# Altium PCB FMC_ADC_100M_10B_16CHA_TDC.PcbDoc (part 3 of 4) (continued)
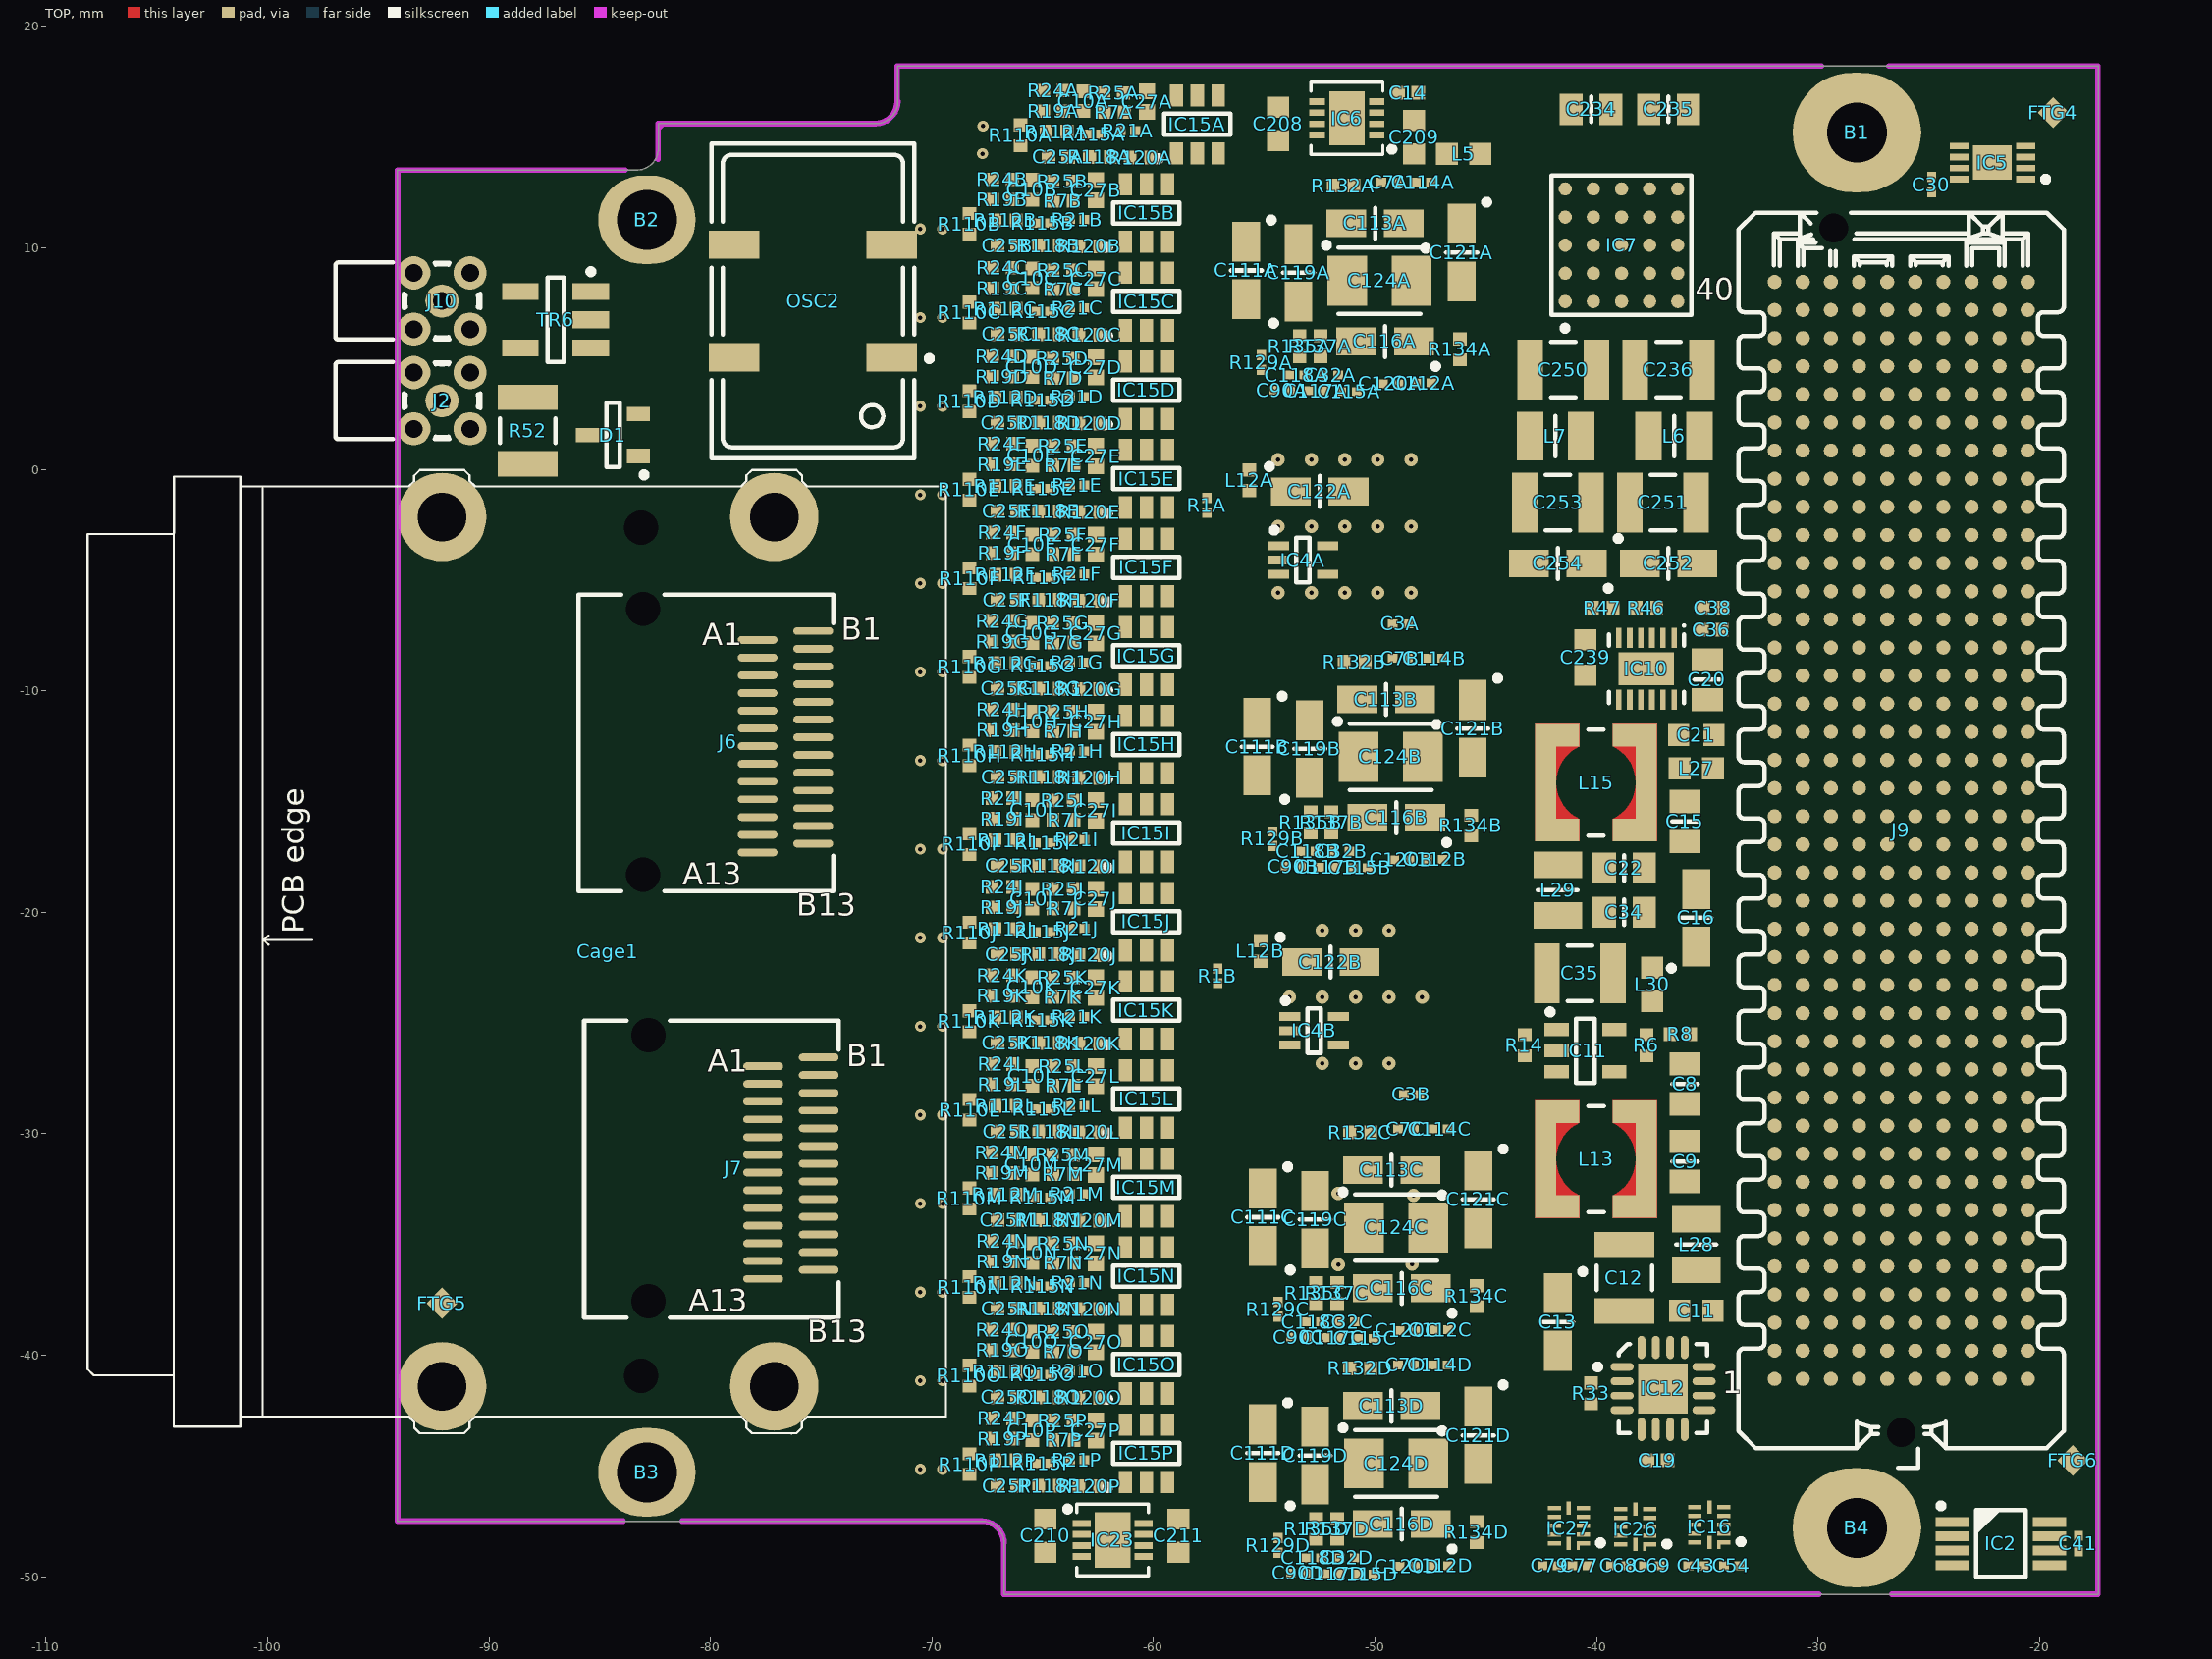
[diagram p0: TOP view]
## Part data (continued)
L13 L15: library part IND_2.2UH_30%_WURTH_WE-TPC_7440430022, "Inductor With Core", Manufacturer="WURTH ELEKTRONIK", Manufacturer Part Number=7440430022, Power=2.5A, Resistance=0.023R, Tolerance=±30%, Author="CERN DEM JLC", ComponentHeight=3mm, Component Type=Standard, CreateDate=19.11.2012, HelpURL=\\cern.ch\dfs\Applications\Altium\Datasheets\IND_WURTH_WE-TPC_7440430022.pdf, LatestRevisionDate=19.11.2012, Mounted=Yes, Part Description="Shielded Tiny Power Inductor (WE-TPC Series)", Part Number=IND_2.2UH_30%_WURTH_WE-TPC_7440430022, Pin Count=2, Sense=No, SMD=Yes, Socket=No, Status=None
LD3 LD5 LD8: library part LED_KINGBRIGHT_KPH-1608CGCK, "LED Green 1C 2A", Manufacturer=KINGBRIGHT, Manufacturer Part Number=KPH-1608CGCK, Author="CERN DEM JLC", Bonding=No, Color=Green, ComponentHeight=0.65mm, Component Type=Standard, CreateDate=03.07.2017, HelpURL=\\cern.ch\dfs\Applications\Altium\Datasheets\LED_KINGBRIGHT_KPH-1608CGCK.pdf, LatestRevisionDate=03.07.2017, Mounted=Yes, PackageDescription="SMT Green LED, Case 0603, Body L 1.6 x W 0.8mm H 0.65mm", Part Description="SMD Green LED, Case 1.6mmX0.8mm(0603), 0.65mm Thickness", Part Number=LED_KINGBRIGHT_KPH-1608CGCK, Pin Count=2, PressFit=No, Sense=No, SMD=Yes, Socket=No
OSC2: library part OSC_125MHZ_CRYSTEK_CVHD-950-100.000, "Oscillator 4 pins 1=VC 2=GND 3=OUT 4=VDD", Manufacturer="CRYSTEK CRYSTAL", Manufacturer Part Number=CVHD-950-100.000, Author="CERN DEM JLC", Bonding=No, ComponentHeight=5.3mm, Component Type=Standard, CreateDate=09.10.2012, HelpURL=\\cern.ch\dfs\Applications\Altium\Datasheets\OSC_CRYSTEK_CVHD-950.pdf, LatestRevisionDate=09.10.2012, Mounted=Yes, PackageDescription="Oscillator, 5.08mm Pitch; 4 Pin, 14.2mm L X 9.14mm W X 5.3mm H, CVHD-950 Serie", Part Description="3.3V, ±20ppm, 15pF, 0..70°C, CMOS Surface Mount Ultra-Low Noise Oscillator (CVHD-950 Series)", Part Number=OSC_125MHZ_CRYSTEK_CVHD-950-100.000, Pin Count=4, PressFit=No, Sense=No, SMD=Yes, Socket=No
R1A R1B R20 R21A R21B R21C R21D R21E R21F R21G R21H R21I R21J R21K R21L R21M R21N R21O R21P R29 R30 R50 R75 R82 R115A R115B R115C R115D R115E R115F R115G R115H R115I R115J R115K R115L R115M R115N R115O R115P R125A R125B R125C R125D R126A R126B R126C R126D R127A R127B R127C R127D R128A R128B R128C R128D R129A R129B R129C R129D R130A R130B R130C R130D R131A R131B R131C R131D: library part R0201_100R_1%_0.05W_200PPM, "Resistor - 1%", Case=0201, Manufacturer=GENERIC, Manufacturer1 ComponentHeight=0.27mm, Manufacturer1 Example=VISHAY, Manufacturer1 Part Number=CRCW0201100RFNED, Power=0.05W, Tolerance=±1%, Author="CERN DEM JLC", Component Type=Standard, CreateDate=13.11.2014, HelpURL="\\cern.ch\dfs\Applications\Altium\Datasheets\R0201_VISHAY_CRCW0201 e3.pdf", LatestRevisionDate=13.11.2014, Manufacturer Part Number=R0201_100R_1%_0.05W_200PPM, Mounted=Yes, Part Description="Thick Film Chip Resistor", Part Number=R0201_100R_1%_0.05W_200PPM, Pin Count=2, PressFit=No, Sense=No, SMD=Yes, Socket=No, Status="Not Recommended", TC=±200ppm/°C
R2 R112A R112B R112C R112D R112E R112F R112G R112H R112I R112J R112K R112L R112M R112N R112O R112P R120A R120B R120C R120D R120E R120F R120G R120H R120I R120J R120K R120L R120M R120N R120O R120P: library part R0402_4R7_1%_0.0625W_200PPM, "Resistor - 1%", Case=0402, Manufacturer=GENERIC, Manufacturer1 ComponentHeight=0.4mm, Manufacturer1 Example="YAGEO PHYCOMP", Manufacturer1 Part Number=232270674708L, Power=0.0625W, Tolerance=±1%, Author="CERN DEM JLC", Component Type=Standard, CreateDate=03.12.2007, HelpURL=\\cern.ch\dfs\Applications\Altium\Datasheets\R0402_Phycomp_RC0402.pdf, LatestRevisionDate=17.10.2012, Manufacturer Part Number=R0402_4R7_1%_0.0625W_200PPM, Mounted=Yes, Part Description="General Purpose Thick Film Chip Resistor", Part Number=R0402_4R7_1%_0.0625W_200PPM, Pin Count=2, PressFit=No, Sense=No, SMD=Yes, Socket=No, Status="Not Recommended", TC=±200ppm/°C
R3: library part R0402_NO-VALUE, "Resistor", Case=0402, Author="CERN DEM JLC", Component Type=Standard, CreateDate=03.12.2007, HelpURL=Undefined, LatestRevisionDate=13.03.2008, Manufacturer=Undefined, Manufacturer1 ComponentHeight=Undefined, Manufacturer1 Example=Undefined, Manufacturer1 Part Number=Undefined, Manufacturer Part Number=R0402_NO-VALUE, Mounted=No, Part Description="Reserved Footprint For a 0402 (1005) Chip Resistor", Part Number=R0402_NO-VALUE, Pin Count=2, PressFit=No, Sense=No, SMD=Yes, Socket=No, Status=None
R4 R5 R14 R17 R32 R33 R43 R44 R48 R49: library part R0402_10K_1%_0.0625W_100PPM, "Resistor - 1%", Case=0402, Manufacturer=GENERIC, Manufacturer1 ComponentHeight=0.4mm, Manufacturer1 Example="YAGEO PHYCOMP", Manufacturer1 Part Number=232270671003L, Power=0.0625W, Tolerance=±1%, Author="CERN DEM JLC", Component Type=Standard, HelpURL=\\cern.ch\dfs\Applications\Altium\Datasheets\R0402_Phycomp_RC0402.pdf, Manufacturer Part Number=R0402_10K_1%_0.0625W_100PPM, Mounted=Yes, Part Description="General Purpose Thick Film Chip Resistor", Part Number=R0402_10K_1%_0.0625W_100PPM, Pin Count=2, SMD=Yes, Socket=No, TC=±100ppm/°C
  R4 R5 R32 R43 R44 R48: CreateDate=3/12/2007, LatestRevisionDate=17/10/2012, Status="Not recommended", Table="Resistors SMD"
  R14 R17 R33 R49: CreateDate=03.12.2007, LatestRevisionDate=17.10.2012, PressFit=No, Sense=No, Status="Not Recommended"
R6 R179: library part R0402_100K_1%_0.0625W_100PPM, "Resistor - 1%", Case=0402, Manufacturer=GENERIC, Manufacturer1 ComponentHeight=0.4mm, Manufacturer1 Example="YAGEO PHYCOMP", Manufacturer1 Part Number=232270671004L, Power=0.0625W, Tolerance=±1%, Author="CERN DEM JLC", Component Type=Standard, HelpURL=\\cern.ch\dfs\Applications\Altium\Datasheets\R0402_Phycomp_RC0402.pdf, Manufacturer Part Number=R0402_100K_1%_0.0625W_100PPM, Mounted=Yes, Part Description="General Purpose Thick Film Chip Resistor", Part Number=R0402_100K_1%_0.0625W_100PPM, Pin Count=2, SMD=Yes, Socket=No, TC=±100ppm/°C
  R6: CreateDate=03.12.2007, LatestRevisionDate=17.10.2012, PressFit=No, Sense=No, Status="Not Recommended"
  R179: CreateDate=2007-12-03, LatestRevisionDate=2012-10-17, Status="Not recommended", Table="Resistors SMD"
R7A R7B R7C R7D R7E R7F R7G R7H R7I R7J R7K R7L R7M R7N R7O R7P R25A R25B R25C R25D R25E R25F R25G R25H R25I R25J R25K R25L R25M R25N R25O R25P: library part R0402_20R_1%_0.0625W_100PPM, "Resistor - 1%", Case=0402, Manufacturer=GENERIC, Manufacturer1 ComponentHeight=0.4mm, Manufacturer1 Example="YAGEO PHYCOMP", Manufacturer1 Part Number=232270672009L, Power=0.0625W, Tolerance=±1%, Author="CERN DEM JLC", Component Type=Standard, CreateDate=03.12.2007, HelpURL=\\cern.ch\dfs\Applications\Altium\Datasheets\R0402_Phycomp_RC0402.pdf, LatestRevisionDate=17.10.2012, Manufacturer Part Number=R0402_20R_1%_0.0625W_100PPM, Mounted=Yes, Part Description="General Purpose Thick Film Chip Resistor", Part Number=R0402_20R_1%_0.0625W_100PPM, Pin Count=2, PressFit=No, Sense=No, SMD=Yes, Socket=No, Status="Not Recommended", TC=±100ppm/°C
R8: library part R0402_43K_1%_0.0625W_100PPM, "Resistor - 1%", Case=0402, Manufacturer=GENERIC, Manufacturer1 ComponentHeight=0.4mm, Manufacturer1 Example="YAGEO PHYCOMP", Manufacturer1 Part Number=232270674303L, Power=0.0625W, Tolerance=±1%, Author="CERN DEM JLC", Component Type=Standard, CreateDate=03.12.2007, HelpURL=\\cern.ch\dfs\Applications\Altium\Datasheets\R0402_Phycomp_RC0402.pdf, LatestRevisionDate=17.10.2012, Manufacturer Part Number=R0402_43K_1%_0.0625W_100PPM, Mounted=Yes, Part Description="General Purpose Thick Film Chip Resistor", Part Number=R0402_43K_1%_0.0625W_100PPM, Pin Count=2, PressFit=No, Sense=No, SMD=Yes, Socket=No, Status="Not Recommended", TC=±100ppm/°C
R9 R11 R26: library part R0402_1K_1%_0.0625W_100PPM, "Resistor - 1%", Case=0402, Manufacturer=GENERIC, Manufacturer1 ComponentHeight=0.4mm, Manufacturer1 Example="YAGEO PHYCOMP", Manufacturer1 Part Number=232270671002L, Power=0.0625W, Tolerance=±1%, Author="CERN DEM JLC", Component Type=Standard, CreateDate=03.12.2007, HelpURL=\\cern.ch\dfs\Applications\Altium\Datasheets\R0402_Phycomp_RC0402.pdf, LatestRevisionDate=17.10.2012, Manufacturer Part Number=R0402_1K_1%_0.0625W_100PPM, Mounted=Yes, Part Description="General Purpose Thick Film Chip Resistor", Part Number=R0402_1K_1%_0.0625W_100PPM, Pin Count=2, Sense=No, SMD=Yes, Socket=No, TC=±100ppm/°C
  R9 R11: PressFit=No, Status="Not Recommended"
  R26: Status="Not recommended"
R10 R12 R83 R178: library part R0402_2K2_1%_0.0625W_100PPM, "Resistor - 1%", Case=0402, Manufacturer=GENERIC, Manufacturer1 ComponentHeight=0.4mm, Manufacturer1 Example="YAGEO PHYCOMP", Manufacturer1 Part Number=232270672202L, Power=0.0625W, Tolerance=±1%, Author="CERN DEM JLC", Component Type=Standard, CreateDate=2007-12-03, HelpURL=\\cern.ch\dfs\Applications\Altium\Datasheets\R0402_Phycomp_RC0402.pdf, LatestRevisionDate=2012-10-17, Manufacturer Part Number=R0402_2K2_1%_0.0625W_100PPM, Mounted=Yes, Part Description="General Purpose Thick Film Chip Resistor", Part Number=R0402_2K2_1%_0.0625W_100PPM, Pin Count=2, SMD=Yes, Socket=No, Status="Not recommended", Table="Resistors SMD", TC=±100ppm/°C
R19A R19B R19C R19D R19E R19F R19G R19H R19I R19J R19K R19L R19M R19N R19O R19P R24A R24B R24C R24D R24E R24F R24G R24H R24I R24J R24K R24L R24M R24N R24O R24P: library part R0402_47R_1%_0.0625W_100PPM, "Resistor - 1%", Case=0402, Manufacturer=GENERIC, Manufacturer1 ComponentHeight=0.4mm, Manufacturer1 Example="YAGEO PHYCOMP", Manufacturer1 Part Number=232270674709L, Power=0.0625W, Tolerance=±1%, Author="CERN DEM JLC", Component Type=Standard, CreateDate=03.12.2007, HelpURL=\\cern.ch\dfs\Applications\Altium\Datasheets\R0402_Phycomp_RC0402.pdf, LatestRevisionDate=17.10.2012, Manufacturer Part Number=R0402_47R_1%_0.0625W_100PPM, Mounted=Yes, Part Description="General Purpose Thick Film Chip Resistor", Part Number=R0402_47R_1%_0.0625W_100PPM, Pin Count=2, PressFit=No, Sense=No, SMD=Yes, Socket=No, Status="Not Recommended", TC=±100ppm/°C
R23 R27 R40: library part R0402_0R_JUMPER, "Resistor - 1%", Case=0402, Manufacturer=GENERIC, Manufacturer1 ComponentHeight=0.4mm, Manufacturer1 Example="YAGEO PHYCOMP", Manufacturer1 Part Number=232270591001L, Author="CERN DEM JLC", Component Type=Standard, CreateDate=3/12/2007, HelpURL=\\cern.ch\dfs\Applications\Altium\Datasheets\R0402_Phycomp_RC0402.pdf, LatestRevisionDate=17/10/2012, Manufacturer Part Number=R0402_0R_JUMPER, Mounted=Yes, Part Description="1A (0.05R Max DC Resistance) Zero Ohm Jumper", Part Number=R0402_0R_JUMPER, Pin Count=2, SMD=Yes, Socket=No, Status="Not recommended", Table="Resistors SMD"
R31: library part R0402_82K_1%_0.0625W_100PPM, "Resistor - 1%", Case=0402, Manufacturer=GENERIC, Manufacturer1 ComponentHeight=0.4mm, Manufacturer1 Example="YAGEO PHYCOMP", Manufacturer1 Part Number=232270678203L, Power=0.0625W, Tolerance=±1%, Author="CERN DEM JLC", Component Type=Standard, CreateDate=03.12.2007, HelpURL=\\cern.ch\dfs\Applications\Altium\Datasheets\R0402_Phycomp_RC0402.pdf, LatestRevisionDate=17.10.2012, Manufacturer Part Number=R0402_82K_1%_0.0625W_100PPM, Mounted=Yes, Part Description="General Purpose Thick Film Chip Resistor", Part Number=R0402_82K_1%_0.0625W_100PPM, Pin Count=2, Sense=No, SMD=Yes, Socket=No, Status="Not recommended", TC=±100ppm/°C
R34: library part R0603_11K8_0.1%_0.063W_10PPM, "Resistor - 0.1%", Case=0603, Manufacturer=GENERIC, Manufacturer1 ComponentHeight=0.5mm, Manufacturer1 Example="TYCO HOLSWORTHY", Manufacturer1 Part Number=RN73C1J11K8BTDF, Power=0.063W, Tolerance=±0.1%, Author="CERN DEM JLC", Component Type=Standard, CreateDate=03.12.2007, HelpURL=\\cern.ch\dfs\Applications\Altium\Datasheets\R0603_Tyco_RN73.pdf, LatestRevisionDate=13.03.2008, Manufacturer Part Number=R0603_11K8_0.1%_0.063W_10PPM, Mounted=Yes, Part Description="Thin Film Chip Resistor", Part Number=R0603_11K8_0.1%_0.063W_10PPM, Pin Count=2, Sense=No, SMD=Yes, Socket=No, Status="Not recommended", TC=±10ppm
R36: library part R0603_5K62_0.1%_0.063W_10PPM, "Resistor - 0.1%", Case=0603, Manufacturer=GENERIC, Manufacturer1 ComponentHeight=0.5mm, Manufacturer1 Example="TYCO HOLSWORTHY", Manufacturer1 Part Number=RN73C1J5K62BTDF, Power=0.063W, Tolerance=±0.1%, Author="CERN DEM JLC", Component Type=Standard, CreateDate=03.12.2007, HelpURL=\\cern.ch\dfs\Applications\Altium\Datasheets\R0603_Tyco_RN73.pdf, LatestRevisionDate=13.03.2008, Manufacturer Part Number=R0603_5K62_0.1%_0.063W_10PPM, Mounted=Yes, Part Description="Thin Film Chip Resistor", Part Number=R0603_5K62_0.1%_0.063W_10PPM, Pin Count=2, Sense=No, SMD=Yes, Socket=No, Status="Not recommended", TC=±10ppm
R38: library part R0603_1K78_0.1%_0.063W_10PPM, "Resistor - 0.1%", Case=0603, Manufacturer=GENERIC, Manufacturer1 ComponentHeight=0.5mm, Manufacturer1 Example="TYCO HOLSWORTHY", Manufacturer1 Part Number=RN73C1J1K78BTDF, Power=0.063W, Tolerance=±0.1%, Author="CERN DEM JLC", Component Type=Standard, CreateDate=03.12.2007, HelpURL=\\cern.ch\dfs\Applications\Altium\Datasheets\R0603_Tyco_RN73.pdf, LatestRevisionDate=13.03.2008, Manufacturer Part Number=R0603_1K78_0.1%_0.063W_10PPM, Mounted=Yes, Part Description="Thin Film Chip Resistor", Part Number=R0603_1K78_0.1%_0.063W_10PPM, Pin Count=2, Sense=No, SMD=Yes, Socket=No, Status="Not recommended", TC=±10ppm
R39 R42: library part R0402_0R_JUMPER, "Resistor - 1%", Case=0402, Manufacturer=GENERIC, Manufacturer1 ComponentHeight=0.4mm, Manufacturer1 Example=PHYCOMP, Manufacturer1 Part Number=232270591001, Author="CERN DEM JLC", Component Type=Standard, CreateDate=2007-12-03, HelpURL=\\cern.ch\dfs\Applications\Altium\Datasheets\R0402_Phycomp_RC0402.pdf, LatestRevisionDate=2008-03-13, Manufacturer Part Number=R0402_0R_JUMPER, Mounted=Yes, Part Description="1A (0.05R Max DC Resistance) Zero Ohm Jumper", Part Number=R0402_0R_JUMPER, Pin Count=2, SMD=Yes, Socket=No, Status="Not recommended", Table="Resistors SMD"
R45: library part R0402_200K_1%_0.0625W_100PPM, "Resistor - 1%", Case=0402, Manufacturer=GENERIC, Manufacturer1 ComponentHeight=0.4mm, Manufacturer1 Example="YAGEO PHYCOMP", Manufacturer1 Part Number=232270672004L, Power=0.0625W, Tolerance=±1%, Author="CERN DEM JLC", Component Type=Standard, CreateDate=03.12.2007, HelpURL=\\cern.ch\dfs\Applications\Altium\Datasheets\R0402_Phycomp_RC0402.pdf, LatestRevisionDate=17.10.2012, Manufacturer Part Number=R0402_200K_1%_0.0625W_100PPM, Mounted=Yes, Part Description="General Purpose Thick Film Chip Resistor", Part Number=R0402_200K_1%_0.0625W_100PPM, Pin Count=2, Sense=No, SMD=Yes, Socket=No, Status="Not recommended", TC=±100ppm/°C
R46: library part R0402_160K_1%_0.0625W_100PPM, "Resistor - 1%", Case=0402, Manufacturer=GENERIC, Manufacturer1 ComponentHeight=0.4mm, Manufacturer1 Example="YAGEO PHYCOMP", Manufacturer1 Part Number=232270671604L, Power=0.0625W, Tolerance=±1%, Author="CERN DEM JLC", Component Type=Standard, CreateDate=03.12.2007, HelpURL=\\cern.ch\dfs\Applications\Altium\Datasheets\R0402_Phycomp_RC0402.pdf, LatestRevisionDate=17.10.2012, Manufacturer Part Number=R0402_160K_1%_0.0625W_100PPM, Mounted=Yes, Part Description="General Purpose Thick Film Chip Resistor", Part Number=R0402_160K_1%_0.0625W_100PPM, Pin Count=2, PressFit=No, Sense=No, SMD=Yes, Socket=No, Status="Not Recommended", TC=±100ppm/°C
R47: library part R0402_56K_1%_0.0625W_100PPM, "Resistor - 1%", Case=0402, Manufacturer=GENERIC, Manufacturer1 ComponentHeight=0.4mm, Manufacturer1 Example="YAGEO PHYCOMP", Manufacturer1 Part Number=232270675603L, Power=0.0625W, Tolerance=±1%, Author="CERN DEM JLC", Component Type=Standard, CreateDate=03.12.2007, HelpURL=\\cern.ch\dfs\Applications\Altium\Datasheets\R0402_Phycomp_RC0402.pdf, LatestRevisionDate=17.10.2012, Manufacturer Part Number=R0402_56K_1%_0.0625W_100PPM, Mounted=Yes, Part Description="General Purpose Thick Film Chip Resistor", Part Number=R0402_56K_1%_0.0625W_100PPM, Pin Count=2, PressFit=No, Sense=No, SMD=Yes, Socket=No, Status="Not Recommended", TC=±100ppm/°C
R51 R54 R55 R56 R57 R58 R59 R60 R61 R165: library part R0402_470R_1%_0.0625W_100PPM, "Resistor - 1%", Case=0402, Manufacturer=GENERIC, Manufacturer1 ComponentHeight=0.4mm, Manufacturer1 Example="YAGEO PHYCOMP", Manufacturer1 Part Number=232270674701L, Power=0.0625W, Tolerance=±1%, Author="CERN DEM JLC", Component Type=Standard, CreateDate=03.12.2007, HelpURL=\\cern.ch\dfs\Applications\Altium\Datasheets\R0402_Phycomp_RC0402.pdf, LatestRevisionDate=17.10.2012, Manufacturer Part Number=R0402_470R_1%_0.0625W_100PPM, Mounted=Yes, Part Description="General Purpose Thick Film Chip Resistor", Part Number=R0402_470R_1%_0.0625W_100PPM, Pin Count=2, PressFit=No, Sense=No, SMD=Yes, Socket=No, Status="Not Recommended", TC=±100ppm/°C
R52: library part R1210_270R_5%_0.5W_200PPM, "Resistor - 5%", Case=1210, Manufacturer=VISHAY, Manufacturer Part Number=CRCW121049R9FK, Part Number=R1210_49R9_1%_0.33W_100PPM, Power=0.33W, Tolerance=±5%, Author="CERN DEM JLC", ComponentHeight=0.7mm, Component Type=Standard, CreateDate=2011-10-26, HelpURL=\\cern.ch\dfs\Applications\Altium\Datasheets\R1210_PANASONIC_ERJ.pdf, LatestRevisionDate=2011-10-26, Mounted=Yes, Part Description="General Purpose Thick Film Chip Resistor", Pin Count=2, SMD=Yes, Socket=No, Status=None, Table="Resistors SMD", TC=±100ppm/°C
R74: library part R0603_4K7_1%_0.1W_100PPM, "Resistor - 1%", Case=0603, Manufacturer=GENERIC, Manufacturer1 ComponentHeight=0.55mm, Manufacturer1 Example="NIC COMPONENT", Manufacturer1 Part Number=NRC06F4701TRF, Power=0.1W, Tolerance=±1%, Author="CERN DEM JLC", Component Type=Standard, CreateDate=03/12/2007, HelpURL=\\cern.ch\dfs\Applications\Altium\Datasheets\R0603_NIC_NRC.pdf, LatestRevisionDate=13/03/2008, Manufacturer Part Number=R0603_4K7_1%_0.1W_100PPM, Mounted=Yes, Part Description="General Purpose Thick Film Chip Resistor", Part Number=R0603_4K7_1%_0.1W_100PPM, Pin Count=2, SMD=Yes, Socket=No, Status=Preferred, Table="Resistors SMD", TC=±100ppm/°C
R110A R110B R110C R110D R110E R110F R110G R110H R110I R110J R110K R110L R110M R110N R110O R110P R117A R117B R117C R117D R117E R117F R117G R117H R117I R117J R117K R117L R117M R117N R117O R117P: library part R0402_270R_1%_0.0625W_100PPM, "Resistor - 1%", Case=0402, Manufacturer=GENERIC, Manufacturer1 ComponentHeight=0.4mm, Manufacturer1 Example="YAGEO PHYCOMP", Manufacturer1 Part Number=232270672701L, Power=0.0625W, Tolerance=±1%, Author="CERN DEM JLC", Component Type=Standard, CreateDate=03.12.2007, HelpURL=\\cern.ch\dfs\Applications\Altium\Datasheets\R0402_Phycomp_RC0402.pdf, LatestRevisionDate=17.10.2012, Manufacturer Part Number=R0402_270R_1%_0.0625W_100PPM, Mounted=Yes, Part Description="General Purpose Thick Film Chip Resistor", Part Number=R0402_270R_1%_0.0625W_100PPM, Pin Count=2, PressFit=No, Sense=No, SMD=Yes, Socket=No, Status="Not Recommended", TC=±100ppm/°C
R111A R111B R111C R111D R111E R111F R111G R111H R111I R111J R111K R111L R111M R111N R111O R111P R113A R113B R113C R113D R113E R113F R113G R113H R113I R113J R113K R113L R113M R113N R113O R113P R118A R118B R118C R118D R118E R118F R118G R118H R118I R118J R118K R118L R118M R118N R118O R118P: library part R0402_120R_1%_0.0625W_100PPM, "Resistor - 1%", Case=0402, Manufacturer=GENERIC, Manufacturer1 ComponentHeight=0.4mm, Manufacturer1 Example="YAGEO PHYCOMP", Manufacturer1 Part Number=232270671201L, Power=0.0625W, Tolerance=±1%, Author="CERN DEM JLC", Component Type=Standard, CreateDate=03.12.2007, HelpURL=\\cern.ch\dfs\Applications\Altium\Datasheets\R0402_Phycomp_RC0402.pdf, LatestRevisionDate=17.10.2012, Manufacturer Part Number=R0402_120R_1%_0.0625W_100PPM, Mounted=Yes, Part Description="General Purpose Thick Film Chip Resistor", Part Number=R0402_120R_1%_0.0625W_100PPM, Pin Count=2, PressFit=No, Sense=No, SMD=Yes, Socket=No, Status="Not Recommended", TC=±100ppm/°C
R114A R114B R114C R114D R114E R114F R114G R114H R114I R114J R114K R114L R114M R114N R114O R114P: library part R0402_160R_1%_0.0625W_100PPM, "Resistor - 1%", Case=0402, Manufacturer=GENERIC, Manufacturer1 ComponentHeight=0.4mm, Manufacturer1 Example="YAGEO PHYCOMP", Manufacturer1 Part Number=232270671601L, Power=0.0625W, Tolerance=±1%, Author="CERN DEM JLC", Component Type=Standard, CreateDate=03.12.2007, HelpURL=\\cern.ch\dfs\Applications\Altium\Datasheets\R0402_Phycomp_RC0402.pdf, LatestRevisionDate=17.10.2012, Manufacturer Part Number=R0402_160R_1%_0.0625W_100PPM, Mounted=Yes, Part Description="General Purpose Thick Film Chip Resistor", Part Number=R0402_160R_1%_0.0625W_100PPM, Pin Count=2, PressFit=No, Sense=No, SMD=Yes, Socket=No, Status="Not Recommended", TC=±100ppm/°C
R116A R116B R116C R116D R116E R116F R116G R116H R116I R116J R116K R116L R116M R116N R116O R116P: library part R0402_51R_1%_0.0625W_100PPM, "Resistor - 1%", Case=0402, Manufacturer=GENERIC, Manufacturer1 ComponentHeight=0.4mm, Manufacturer1 Example="YAGEO PHYCOMP", Manufacturer1 Part Number=232270675109L, Power=0.0625W, Tolerance=±1%, Author="CERN DEM JLC", Component Type=Standard, CreateDate=03.12.2007, HelpURL=\\cern.ch\dfs\Applications\Altium\Datasheets\R0402_Phycomp_RC0402.pdf, LatestRevisionDate=17.10.2012, Manufacturer Part Number=R0402_51R_1%_0.0625W_100PPM, Mounted=Yes, Part Description="General Purpose Thick Film Chip Resistor", Part Number=R0402_51R_1%_0.0625W_100PPM, Pin Count=2, PressFit=No, Sense=No, SMD=Yes, Socket=No, Status="Not Recommended", TC=±100ppm/°C
R121 R122 R123 R124: library part R0402_0R_JUMPER, "Resistor", Case=0402, Manufacturer=GENERIC, Manufacturer1 ComponentHeight=0.4mm, Manufacturer1 Example="YAGEO PHYCOMP", Manufacturer1 Part Number=232270591001L, Author="CERN DEM JLC", Component Type=Standard, CreateDate=03.12.2007, HelpURL=\\cern.ch\dfs\Applications\Altium\Datasheets\R0402_Phycomp_RC0402.pdf, LatestRevisionDate=17.10.2012, Manufacturer Part Number=R0402_0R_JUMPER, Mounted=Yes, Part Description="1A (0.05R Max DC Resistance) Zero Ohm Jumper", Part Number=R0402_0R_JUMPER, Pin Count=2, PressFit=No, Sense=No, SMD=Yes, Socket=No, Status="Not Recommended"
R132A R132B R132C R132D R134A R134B R134C R134D R135A R135B R135C R135D R137A R137B R137C R137D: library part R0402_10R_1%_0.0625W_200PPM, "Resistor - 1%", Case=0402, Manufacturer=GENERIC, Manufacturer1 ComponentHeight=0.4mm, Manufacturer1 Example="YAGEO PHYCOMP", Manufacturer1 Part Number=232270671009L, Power=0.0625W, Tolerance=±1%, Author="CERN DEM JLC", Component Type=Standard, CreateDate=24.06.2009, HelpURL=\\cern.ch\dfs\Applications\Altium\Datasheets\R0402_Phycomp_RC0402.pdf, LatestRevisionDate=17.10.2012, Manufacturer Part Number=R0402_10R_1%_0.0625W_200PPM, Mounted=Yes, Part Description="General Purpose Thick Film Chip Resistor", Part Number=R0402_10R_1%_0.0625W_200PPM, Pin Count=2, PressFit=No, Sense=No, SMD=Yes, Socket=No, Status="Not Recommended", TC=±200ppm/°C
T3: "Dual N-Channel micro TrenchMOS™ Ultra Low Level FET", Case=SOT363, Manufacturer="NXP SEMICONDUCTORS", Author="CERN DEM JLC", Bonding=No, ComponentHeight=1.1mm, Component Type=Standard, CreateDate=19.11.2014, Device=PMGD280UN, HelpURL=\\cern.ch\dfs\Applications\Altium\Datasheets\PMGD280UN.pdf, LatestRevisionDate=19.11.2014, Manufacturer Part Number=PMGD280UN, Mounted=Yes, PackageDescription="SOT363, SC70-6, SOT, 0.65mm Pitch, 6 pin, 1.25mm W X 2.00mm L X 1.10mm H, IPC Medium Density", Part Description="20V 870mA Dual N-Channel micro TrenchMOS™ Ultra Low Level FET", Part Number=PMGD280UN, Pin Count=6, PressFit=No, Sense=No, SMD=Yes, Socket=No
TP2 TP3 TP4 TP5 TP6 TP7 TP8 TP9 TP10 TP11 TP12 TP13 TP14 TP15 TP16 TP17 TP18 TP19 TP20 TP21 TP22 TP23 TP24 TP25 TP26 TP27 TP28 TP29 TP30 TP31: library part SMD_PAD_0.62X0.62MM, Author="CERN DEM JLC", ComponentHeight=0mm, Component Type="Standard (No BOM)", CreateDate=12.01.2008, Family="Test Point", HelpURL=Undefined, LatestRevisionDate=12.01.2008, Mounted=No, PackageDescription="0.62mm x 0.62mm PCB Copper Area (SMD Test Point)", Part Description="0.62mm x 0.62mm PCB Copper Area (SMD Test Point)", Part Number=SMD_PAD_0.62X0.62MM, Pin Count=1, Sense=No, SMD=Yes, Socket=No, Status=None
TR6: library part XFMR_MINI-CIRCUITS_TC1-1+, "50 Ohm  0.4 To 500MHz RF Transformers", Manufacturer=MINI-CIRCUITS, Manufacturer Part Number=TC1-1T+, Part Number=XFMR_MINI-CIRCUITS_TC1-1T+, Author="CERN DEM JLC", ComponentHeight=4.06mm, Component Type=Standard, CreateDate=2010-02-08, HelpURL=\\cern.ch\dfs\Applications\Altium\Datasheets\XFMR_MINI-CIRCUITS_TC1-1+.pdf, LatestRevisionDate=2010-04-27, Mounted=Yes, Part Description="50 Ohms 1.5 to 500 MHz RF Transformer", Pin Count=5, SMD=Yes, Socket=No, Status=None, Table=Transformers

## Via types
v1: diameter 0.5, hole 0.2, TOP to BOTTOM, tented bottom, 32 vias
v2: diameter 0.6, hole 0.2, TOP to BOTTOM, 30 vias

## Nets (pads, with @x,y where several pads share a name; then routed paths per layer and width w, separated by ;. In a path a pad name is that pad's centre, name@x,y a point inside that pad or via, vN(x,y) a via of type N, cw(c..) or ccw(c..) an arc to the next point about the centre after c; other vN are vias at no path point)
3P3VAUX: C30.1 C31.1 C41.1 IC2.7 IC2.8 IC5.8 IC13.8 J9.d32 R4.2 R5.2 R32.2 R43.2 R44.2
ADC_CLKA_N: C2A.1 IC3.41 R1A.1
ADC_CLKA_P: C1A.1 IC3.40 R1A.2
ADC_CLKB_N: C2B.1 IC3.38 R1B.1
ADC_CLKB_P: C1B.1 IC3.37 R1B.2
ADC_IN0.SIG_N: C27A.1 IC1A.2 R25A.2
ADC_IN0.SIG_P: IC1A.1 R7A.2 R21A.2
ADC_IN1.SIG_N: C27B.1 IC1A.5 R25B.2
ADC_IN1.SIG_P: IC1A.4 R7B.2 R21B.2
ADC_IN2.SIG_N: C27C.1 IC1A.8 R25C.2
ADC_IN2.SIG_P: IC1A.7 R7C.2 R21C.2
ADC_IN3.SIG_N: C27D.1 IC1A.11 R25D.2
ADC_IN3.SIG_P: IC1A.10 R7D.2 R21D.2
ADC_IN4.SIG_N: C27E.1 IC1A.39 R25E.2
ADC_IN4.SIG_P: IC1A.38 R7E.2 R21E.2
ADC_IN5.SIG_N: C27F.1 IC1A.42 R25F.2
ADC_IN5.SIG_P: IC1A.41 R7F.2 R21F.2
ADC_IN6.SIG_N: C27G.1 IC1A.45 R25G.2
ADC_IN6.SIG_P: IC1A.44 R7G.2 R21G.2
ADC_IN7.SIG_N: C27H.1 IC1A.48 R25H.2
ADC_IN7.SIG_P: IC1A.47 R7H.2 R21H.2
ADC_IN8.SIG_N: C27I.1 IC1B.2 R25I.2
ADC_IN8.SIG_P: IC1B.1 R7I.2 R21I.2
ADC_IN9.SIG_N: C27J.1 IC1B.5 R25J.2
ADC_IN9.SIG_P: IC1B.4 R7J.2 R21J.2
ADC_IN10.SIG_N: C27K.1 IC1B.8 R25K.2
ADC_IN10.SIG_P: IC1B.7 R7K.2 R21K.2
ADC_IN11.SIG_N: C27L.1 IC1B.11 R25L.2
ADC_IN11.SIG_P: IC1B.10 R7L.2 R21L.2
ADC_IN12.SIG_N: C27M.1 IC1B.39 R25M.2
ADC_IN12.SIG_P: IC1B.38 R7M.2 R21M.2
ADC_IN13.SIG_N: C27N.1 IC1B.42 R25N.2
ADC_IN13.SIG_P: IC1B.41 R7N.2 R21N.2
ADC_IN14.SIG_N: C27O.1 IC1B.45 R25O.2
ADC_IN14.SIG_P: IC1B.44 R7O.2 R21O.2
ADC_IN15.SIG_N: C27P.1 IC1B.48 R25P.2
ADC_IN15.SIG_P: IC1B.47 R7P.2 R21P.2
ADC_MISO: IC4A.4 IC4B.4 IC21.7
ADC_MISO_VADJ: IC21.5 J9.h16 TP16.1
ADC_MOSI: IC1A.62 IC1B.62 IC21.8
ADC_MOSI_VADJ: IC21.4 J9.h17 TP11.1
ADC_RESETn_1V8: IC1A.64 IC1B.64 IC25.10
ADC_SCK: IC1A.63 IC1B.63 IC21.9
ADC_SCK_VADJ: IC21.3 IC28.4 J9.h32 R178.1 TP10.1
ADC_SSN0: IC1A.61 IC4A.1 IC21.10
ADC_SSN0_VADJ: IC21.2 J9.c14 TP29.1
ADC_SSN1: IC1B.61 IC4B.1 IC25.7
ADC_SSN1_VADJ: IC25.5 J9.c15 TP20.1
ADC_SYNC_1V8: IC1A.49 IC1B.49 IC27.10
ADCLKA_N: IC1A.24 J9.g7
ADCLKA_P: IC1A.23 J9.g6
ADCLKB_N: IC1B.24 J9.d21
ADCLKB_P: IC1B.23 J9.d20
CFD_CLAMP: IC22A.7 IC22B.7 IC22C.7 IC22D.7 IC22E.7 IC22F.7 IC22G.7 IC22H.7 IC22I.7 IC22J.7 IC22K.7 IC22L.7 IC22M.7 IC22N.7 IC22O.7 IC22P.7 R2.2 R3.2
CFD_OFFSET0: IC18.3 R120A.1
CFD_OFFSET1: IC18.16 R120B.1
CFD_OFFSET2: IC18.4 R120C.1
CFD_OFFSET3: IC18.15 R120D.1
CFD_OFFSET4: IC18.5 R120E.1
CFD_OFFSET5: IC18.14 R120F.1
CFD_OFFSET6: IC18.6 R120G.1
CFD_OFFSET7: IC18.13 R120H.1
CFD_OFFSET8: IC19.3 R120I.1
CFD_OFFSET9: IC19.16 R120J.1
CFD_OFFSET10: IC19.4 R120K.1
CFD_OFFSET11: IC19.15 R120L.1
CFD_OFFSET12: IC19.5 R120M.1
CFD_OFFSET13: IC19.14 R120N.1
CFD_OFFSET14: IC19.6 R120O.1
CFD_OFFSET15: IC19.13 R120P.1
CFD_OUT0.SIG_N: IC8A.48 IC15A.3 R126A.2
CFD_OUT0.SIG_P: IC8A.33 IC8A.47 IC15A.4 IC15D.4 R126A.1 R129A.1
CFD_OUT1.SIG_N: IC8A.46 IC15B.3 R127A.2
CFD_OUT1.SIG_P: IC8A.45 IC15B.4 R127A.1
CFD_OUT2.SIG_N: IC8A.36 IC15C.3 R128A.2
CFD_OUT2.SIG_P: IC8A.35 IC15C.4 R128A.1
CFD_OUT3.SIG_N: IC8A.34 IC15D.3 R129A.2
CFD_OUT4.SIG_N: IC8B.48 IC15E.3 R126B.2
CFD_OUT4.SIG_P: IC8B.33 IC8B.47 IC15E.4 IC15H.4 R126B.1 R129B.1
CFD_OUT5.SIG_N: IC8B.46 IC15F.3 R127B.2
CFD_OUT5.SIG_P: IC8B.45 IC15F.4 R127B.1
CFD_OUT6.SIG_N: IC8B.36 IC15G.3 R128B.2
CFD_OUT6.SIG_P: IC8B.35 IC15G.4 R128B.1
CFD_OUT7.SIG_N: IC8B.34 IC15H.3 R129B.2
CFD_OUT8.SIG_N: IC8C.48 IC15I.3 R126C.2
CFD_OUT8.SIG_P: IC8C.33 IC8C.47 IC15I.4 IC15L.4 R126C.1 R129C.1
CFD_OUT9.SIG_N: IC8C.46 IC15J.3 R127C.2
CFD_OUT9.SIG_P: IC8C.45 IC15J.4 R127C.1
CFD_OUT10.SIG_N: IC8C.36 IC15K.3 R128C.2
CFD_OUT10.SIG_P: IC8C.35 IC15K.4 R128C.1
CFD_OUT11.SIG_N: IC8C.34 IC15L.3 R129C.2
CFD_OUT12.SIG_N: IC8D.48 IC15M.3 R126D.2
CFD_OUT12.SIG_P: IC8D.33 IC8D.47 IC15M.4 IC15P.4 R126D.1 R129D.1
CFD_OUT13.SIG_N: IC8D.46 IC15N.3 R127D.2
CFD_OUT13.SIG_P: IC8D.45 IC15N.4 R127D.1
CFD_OUT14.SIG_N: IC8D.36 IC15O.3 R128D.2
CFD_OUT14.SIG_P: IC8D.35 IC15O.4 R128D.1
CFD_OUT15.SIG_N: IC8D.34 IC15P.3 R129D.2
CLK0_M2C_N: IC3.32 J9.h5
CLK0_M2C_P: IC3.31 J9.h4
CLK1_M2C_N: IC3.35 J9.g3
CLK1_M2C_P: IC3.34 J9.g2
CLK2_BIDIR_N: J9.k5
CLK2_BIDIR_P: J9.k4
CLK3_BIDIR_N: J9.j3 R27.2
CLK3_BIDIR_P: J9.j2 R23.2
CLK_DIR: J9.b1 R74.2
CVDD18A: C32A.1 C124A.1 IC8A.29 R137A.2
CVDD18B: C32B.1 C124B.1 IC8B.29 R137B.2
CVDD18C: C32C.1 C124C.1 IC8C.29 R137C.2
CVDD18D: C32D.1 C124D.1 IC8D.29 R137D.2
DISABLEA_N: IC8A.39 J9.e19 R125A.2
DISABLEA_P: IC8A.38 J9.e18 R125A.1
DISABLEB_N: IC8B.39 J9.k20 R125B.2
DISABLEB_P: IC8B.38 J9.k19 R125B.1
DISABLEC_N: IC8C.39 J9.j22 R125C.2
DISABLEC_P: IC8C.38 J9.j21 R125C.1
DISABLED_N: IC8D.39 J9.k23 R125D.2
DISABLED_P: IC8D.38 J9.k22 R125D.1
DL_INA: J1A.1 R112A.2 R115A.2
DL_INB: J1B.1 R112B.2 R115B.2
DL_INC: J1C.1 R112C.2 R115C.2
DL_IND: J1D.1 R112D.2 R115D.2
DL_INE: J1E.1 R112E.2 R115E.2
DL_INF: J1F.1 R112F.2 R115F.2
DL_ING: J1G.1 R112G.2 R115G.2
DL_INH: J1H.1 R112H.2 R115H.2
DL_INI: J1I.1 R112I.2 R115I.2
DL_INJ: J1J.1 R112J.2 R115J.2
DL_INK: J1K.1 R112K.2 R115K.2
DL_INL: J1L.1 R112L.2 R115L.2
DL_INM: J1M.1 R112M.2 R115M.2
DL_INN: J1N.1 R112N.2 R115N.2
DL_INO: J1O.1 R112O.2 R115O.2
DL_INP: J1P.1 R112P.2 R115P.2
DL_OUTA: IC15A.6 J5A.1 R116A.2
DL_OUTB: IC15B.6 J5B.1 R116B.2
DL_OUTC: IC15C.6 J5C.1 R116C.2
DL_OUTD: IC15D.6 J5D.1 R116D.2
DL_OUTE: IC15E.6 J5E.1 R116E.2
DL_OUTF: IC15F.6 J5F.1 R116F.2
DL_OUTG: IC15G.6 J5G.1 R116G.2
DL_OUTH: IC15H.6 J5H.1 R116H.2
DL_OUTI: IC15I.6 J5I.1 R116I.2
DL_OUTJ: IC15J.6 J5J.1 R116J.2
DL_OUTK: IC15K.6 J5K.1 R116K.2
DL_OUTL: IC15L.6 J5L.1 R116L.2
DL_OUTM: IC15M.6 J5M.1 R116M.2
DL_OUTN: IC15N.6 J5N.1 R116N.2
DL_OUTO: IC15O.6 J5O.1 R116O.2
DL_OUTP: IC15P.6 J5P.1 R116P.2
DVDD18A: C7A.1 C120A.1 C121A.1 IC8A.22 IC8A.24 IC8A.25 IC8A.26 IC8A.60 R135A.1 R137A.1
DVDD18B: C7B.1 C120B.1 C121B.1 IC8B.22 IC8B.24 IC8B.25 IC8B.26 IC8B.60 R135B.1 R137B.1
DVDD18C: C7C.1 C120C.1 C121C.1 IC8C.22 IC8C.24 IC8C.25 IC8C.26 IC8C.60 R135C.1 R137C.1
DVDD18D: C7D.1 C120D.1 C121D.1 IC8D.22 IC8D.24 IC8D.25 IC8D.26 IC8D.60 R135D.1 R137D.1
DVDD33A: C26A.1 C26B.1 C26C.1 C26D.1 C26E.1 C26F.1 C26G.1 C26H.1 C26I.1 C26J.1 C26K.1 C26L.1 C26M.1 C26N.1 C26O.1 C26P.1 C37.1 C39.1 C43.1 C64.1 C68.1 C83.1 C103.1 C104.1 C112A.1 C112B.1 C112C.1 C112D.1 C113A.1 C113B.1 C113C.1 C113D.1 C114A.1 C114B.1 C114C.1 C114D.1 D1.2 IC8A.20 IC8A.61 IC8B.20 IC8B.61 IC8C.20 IC8C.61 IC8D.20 IC8D.61 IC15A.5 IC15B.5 IC15C.5 IC15D.5 IC15E.5 IC15F.5 IC15G.5 IC15H.5 IC15I.5 IC15J.5 IC15K.5 IC15L.5 IC15M.5 IC15N.5 IC15O.5 IC15P.5 IC16.11 IC17.8 IC18.2 IC18.12 IC19.2 IC19.12 IC20.1 IC21.11 IC26.11 L8.2 R10.2 R12.2 R123.1 R132A.1 R132B.1 R132C.1 R132D.1 R134A.1 R134B.1 R134C.1 R134D.1 R179.2
FRAME0A_N: IC8A.1 J9.j19
FRAME0A_P: IC8A.2 J9.j18
FRAME0B_N: IC8B.1 J9.k35
FRAME0B_P: IC8B.2 J9.k34
FRAME0C_N: IC8C.1 J9.f23
FRAME0C_P: IC8C.2 J9.f22
FRAME0D_N: IC8D.1 J9.e10
FRAME0D_P: IC8D.2 J9.e9
FRAME1A_N: IC8A.5 J9.f17
FRAME1A_P: IC8A.6 J9.f16
FRAME1B_N: IC8B.5 J9.j34
FRAME1B_P: IC8B.6 J9.j33
FRAME1C_N: IC8C.5 J9.f26
FRAME1C_P: IC8C.6 J9.f25
FRAME1D_N: IC8D.5 J9.j10
FRAME1D_P: IC8D.6 J9.j9
FRAME2A_N: IC8A.9 J9.e13
FRAME2A_P: IC8A.10 J9.e12
FRAME2B_N: IC8B.9 J9.e36
FRAME2B_P: IC8B.10 J9.f38
FRAME2C_N: IC8C.9 J9.e25
FRAME2C_P: IC8C.10 J9.e24
FRAME2D_N: IC8D.9 J9.e7
FRAME2D_P: IC8D.10 J9.e6
FRAME3A_N: IC8A.13 J9.j13
FRAME3A_P: IC8A.14 J9.j12
FRAME3B_N: IC8B.13 J9.e34
FRAME3B_P: IC8B.14 J9.e33
FRAME3C_N: IC8C.13 J9.f29
FRAME3C_P: IC8C.14 J9.f28
FRAME3D_N: IC8D.13 J9.j7
FRAME3D_P: IC8D.14 J9.j6
GA0: IC5.2 J9.c34
GA1: IC5.1 J9.d35